# Altium PCB VALVEBOARD_Kun.PcbDoc (part 5 of 13)
Units mil, origin at the board's own origin, x right, y up, seen from the top; angles counter-clockwise.
Board outline 10923.41 x 5583.88 mil, 2 copper layers (Top Layer, Bottom Layer), stack 10.8 mil thick; 1127 components, 626 nets, 3503 pads, 1418 vias.
Unrouted connection lines stored in the file: 1.
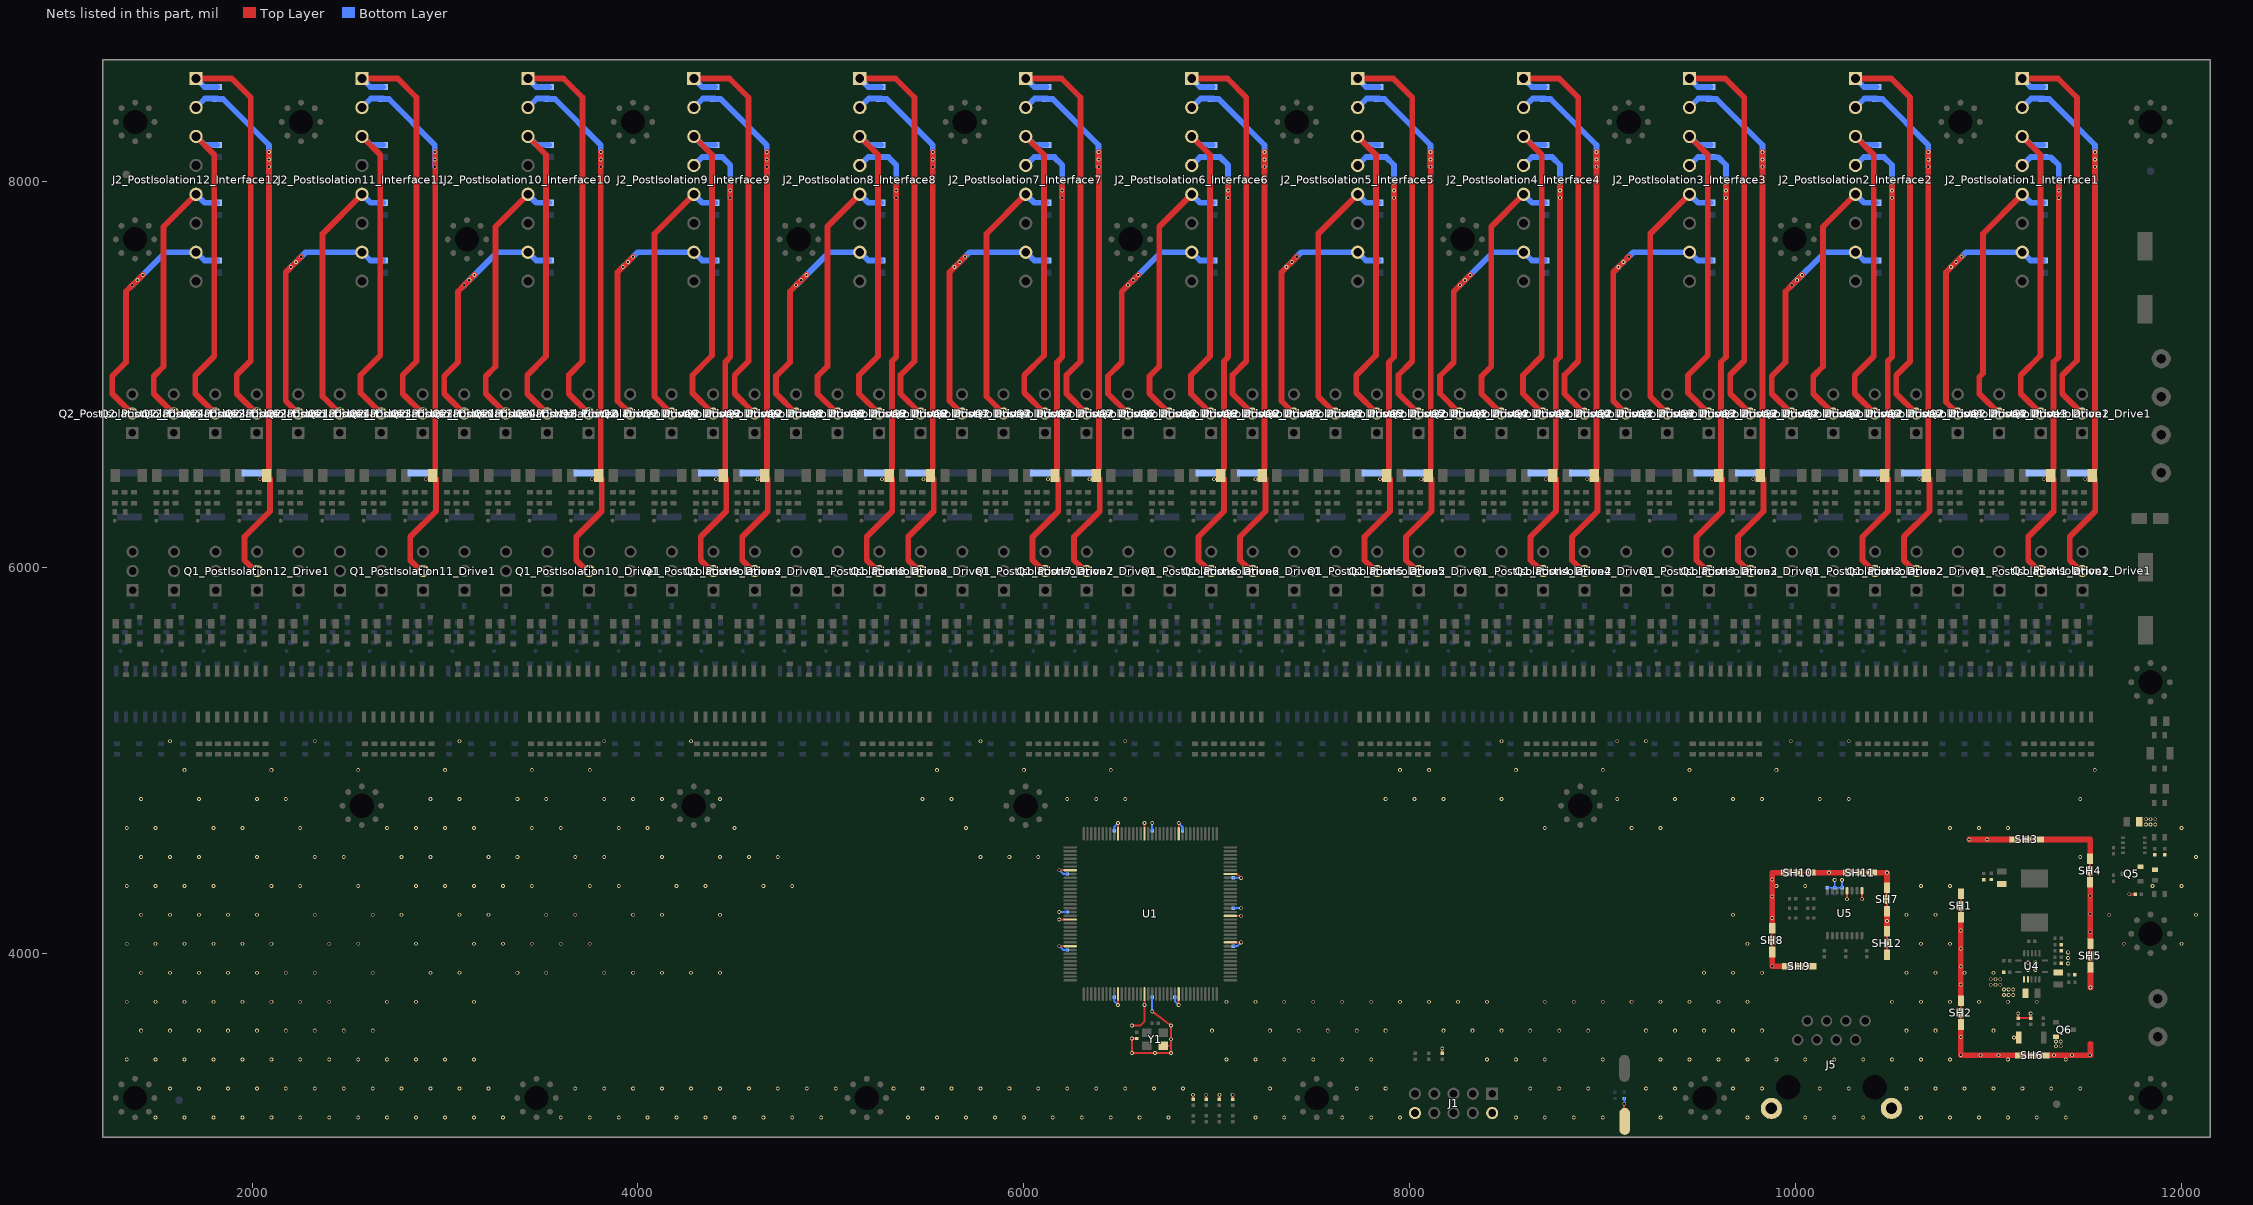
[diagram p5: the nets of this part, all layers, seen from the top]

## Via types
v1: diameter 19.68, hole 11.81, Top Layer to Bottom Layer, tented both sides, 1364 vias
v2: diameter 19.68, hole 11.81, Top Layer to Bottom Layer, 54 vias

## Nets (pads, with @x,y where several pads share a name; then routed paths per layer and width w, separated by ;. In a path a pad name is that pad's centre, name@x,y a point inside that pad or via, vN(x,y) a via of type N, cw(c..) or ccw(c..) an arc to the next point about the centre after c; other vN are vias at no path point)
DGND: C1.1 C2.1 C3.1 C4.1 C5.1 C6.1 C7.1 C8.1 C9.1 C10.1 C11.1 C12.1 C13.1 C14.1 C32.1 C33.1 C34.1 C35.1 C36.1 C37.1 C38.1 C39.1 C40.1 C41.1 C42.1 C43.1 C44.1 D11.2 J1.2 J1.10 J5.SH1 J5.SH2 KEY1.1 Q5.S Q6.S R4.1 R9.1 R10.1 R11.1 R12.1 R35.1 R36.1 R38.2 R39.2 R40.1 R43.1 R45.1 SH1.SH SH2.SH SH3.SH SH4.SH SH5.SH SH6.SH SH7.SH SH8.SH SH9.SH SH10.SH SH11.SH SH12.SH U1.10 U1.17 U1.26 U1.47 U1.54 U1.65 U1.83 U1.92 U1.99 U1.115 U1.128 U1.135 U4.2 U4.3 U4.15 U5.9 U5.12 Y1.2 | length 7341.8
  Top Layer w10: v1@6182.77,4175.31 6182.94,4175.47 U1.128@6239.65,4175.47 ; v1(6183.93,4037.68) U1.135@6239.65,4037.68 ; v1(6183.93,4431.38) U1.115@6239.65,4431.38 ; v1@6487.68,3733.93 U1.10@6487.68,3789.65 ; U1.99@6487.68,4620.35 v1(6487.68,4676.07) ; v1@6560.33,3626.35 6602.61,3626.35 6625.47,3649.22 6625.47,3728.01 6624.7,3728.78 6625.47,3729.56 U1.17@6625.47,3789.65 ; C1.1@6585,3559.25 v1(6559.73,3559.25) v1(6559.73,3484.32) v1(6680.16,3484.32) v1(6762.86,3484.32) 6762.86,3521.53 ; U1.92@6625.47,4620.35 v1@6625.47,4677.06 ; v1(6665.51,3698.8) v1(6762.86,3626.35) v1(6762.86,3555.34) 6762.86,3521.53 ; Y1.2@6723.31,3521.53 6762.86,3521.53 ; v1@6802.21,3733.5 6802.21,3789.21 U1.26@6802.64,3789.65 ; U1.83@6802.64,4620.35 v1(6802.64,4676.07) ; R9.1@6876.96,3243.64 6876.96,3267.8 v1(6877.1,3267.94) ; R10.1@6945.29,3243.64 v1@6945.29,3267.8 ; R11.1@7013.63,3243.64 v1@7013.63,3267.8 ; U1.47@7070.35,4057.36 v1(7126.07,4057.36) ; U1.54@7070.35,4195.16 v1@7127.06,4195.16 ; U1.65@7070.35,4411.69 7070.7,4411.35 7106.66,4411.35 v1@7126.14,4391.87 ; R12.1@7081.96,3243.64 v1@7081.96,3267.8 ; R4.1@8167.79,3482.96 8168.18,3483.35 8168.18,3507.18 v1(8168.58,3507.57) ; v1(9111.36,3220.79) 9111.36,3132.14 KEY1.1@9113.86,3129.64 ; SH8.SH@9878.81,4007.48 SH8.SH@9878.81,4068.7 SH8.SH@9878.81,4129.92 ; SH10.SH@9952.59,4418.7 SH10.SH@10013.81,4418.7 SH10.SH@10075.03,4418.7 ; SH9.SH@9957.59,3933.7 SH9.SH@10018.81,3933.7 SH9.SH@10080.03,3933.7 ; v1@10266.6,4281.53 U5.12@10266.6,4324.84 ; SH11.SH@10272.59,4418.7 SH11.SH@10333.81,4418.7 SH11.SH@10395.03,4418.7 ; v1@10343.37,4281.53 U5.9@10343.37,4324.84 ; SH12.SH@10473.81,3992.48 SH12.SH@10473.81,4053.7 SH12.SH@10473.81,4114.92 ; SH7.SH@10473.81,4218.7 SH7.SH@10473.81,4279.92 SH7.SH@10473.81,4341.14 ; SH2.SH@10856.19,3631.41 SH2.SH@10856.19,3692.63 SH2.SH@10856.19,3753.86 ; SH1.SH@10856.19,4186.96 SH1.SH@10856.19,4248.18 SH1.SH@10856.19,4309.4 ; v1@11131.88,3564.73 D11.2@11156.06,3564.73 ; SH3.SH@11136.13,4590.82 SH3.SH@11197.35,4590.82 SH3.SH@11258.57,4590.82 ; v1(11153.52,3689.08) 11153.78,3688.82 C40.1@11153.78,3664.65 R45.1@11218.07,3664.65 v1@11218.07,3688.82 ; SH6.SH@11165.34,3471.96 SH6.SH@11226.56,3471.96 SH6.SH@11287.78,3471.96 ; SH4.SH@11526.49,4368.2 SH4.SH@11526.49,4429.42 SH4.SH@11526.49,4490.64 ; SH5.SH@11527.93,3927.97 SH5.SH@11527.93,3989.19 SH5.SH@11527.93,4050.41 ; v1(11729.27,4306.54) 11729.59,4306.22 R39.2@11759.58,4306.22
  Top Layer w30: SH8.SH@9878.81,4007.48 9878.81,3933.7 SH9.SH@9957.59,3933.7 ; SH8.SH@9878.81,4129.92 9878.81,4418.7 SH10.SH@9952.59,4418.7 ; SH10.SH@10075.03,4418.7 SH11.SH@10272.59,4418.7 ; SH11.SH@10395.03,4418.7 v1(10473.81,4418.7) SH7.SH@10473.81,4341.14 ; SH12.SH@10473.81,4114.92 SH7.SH@10473.81,4218.7 ; SH2.SH@10856.19,3631.41 10856.19,3471.96 SH6.SH@11165.34,3471.96 ; SH2.SH@10856.19,3753.86 SH1.SH@10856.19,4186.96 ; v1(10899.62,4590.82) SH3.SH@11136.13,4590.82 ; SH3.SH@11258.57,4590.82 11526.49,4590.82 SH4.SH@11526.49,4490.64 ; SH6.SH@11287.78,3471.96 11527.93,3471.96 11527.93,3531.76 ; SH4.SH@11526.49,4368.2 11526.49,4050.41 SH5.SH@11527.93,4050.41 ; v1(11527.93,3823.66) SH5.SH@11527.93,3927.97
  Bottom Layer w10: v1(6183.93,4037.68) 6203.18,4018.42 C9.1@6224.33,4018.42 ; v1(6183.93,4431.38) 6203.18,4412.13 C13.1@6224.33,4412.13 ; v1@6184.87,4214.84 C6.1@6223.9,4214.84 ; C8.1@6468.42,3774.33 6468.42,3753.18 v1@6487.68,3733.93 ; C7.1@6468.42,4635.67 6468.42,4656.82 v1(6487.68,4676.07) ; C3.1@6664.84,3773.9 6664.84,3699.46 v1(6665.51,3698.8) ; C4.1@6664.84,4636.1 v1@6664.84,4675.13 ; C10.1@6782.95,3773.9 6782.95,3752.75 v1@6802.21,3733.5 ; v1(6802.64,4676.07) 6821.89,4656.82 C5.1@6821.89,4635.67 ; C11.1@7085.67,4038.11 7106.82,4038.11 v1(7126.07,4057.36) ; C14.1@7085.67,4392.44 7125.56,4392.44 v1@7126.14,4391.87 ; C12.1@7086.1,4234.53 7125.13,4234.53 v1@7125.53,4234.12 ; v1@9111.36,3224.64 9111.96,3225.24 C2.1@9111.96,3248.34 C2.1@9111.96,3251.39 ; C44.1@10164.24,4340.59 C42.1@10202.63,4340.59 ; v1(10202.05,4380.06) 10202.63,4379.48 C42.1@10202.63,4340.59 ; v1@10241.01,4379.48 C43.1@10241.01,4340.59 C42.1@10202.63,4340.59
  other v1: 1500,3150 1650,3150 1800,3150 1950,3150 2100,3150 2250,3150 2400,3150 2550,3150 2700,3150 2850,3150 3000,3150 3150,3150 3300,3150 3600,3150 3750,3150 3900,3150 4050,3150 4200,3150 4350,3150 4500,3150 4650,3150 4800,3150 4950,3150 5400,3150 5550,3150 5700,3150 5850,3150 6000,3150 6150,3150 6300,3150 6450,3150 6600,3150 6750,3150 7200,3150 7350,3150 7650,3150 7800,3150 7950,3150 8550,3150 8700,3150 8850,3150 9000,3150 9300,3150 9750,3150 10050,3150 10200,3150 10350,3150 10650,3150 10800,3150 10950,3150 11100,3150 11250,3150 11400,3150 6945.43,3267.94 7013.77,3267.94 7082.1,3267.94 1575,3300 1725,3300 1875,3300 2025,3300 2175,3300 2325,3300 2475,3300 2625,3300 2775,3300 2925,3300 3075,3300 3225,3300 3675,3300 3825,3300 3975,3300 4125,3300 4275,3300 4425,3300 4575,3300 4725,3300 4875,3300 5025,3300 5325,3300 5475,3300 5625,3300 5775,3300 5925,3300 6075,3300 6225,3300 6375,3300 6525,3300 6675,3300 6825,3300 7275,3300 7725,3300 7875,3300 8625,3300 8775,3300 8925,3300 9225,3300 9375,3300 9675,3300 9825,3300 10125,3300 10275,3300 10575,3300 10725,3300 10875,3300 11025,3300 11175,3300 11325,3300 11475,3300 1350,3450 1500,3450 1650,3450 1800,3450 1950,3450 2100,3450 2250,3450 2400,3450 2550,3450 2700,3450 2850,3450 3000,3450 3150,3450 7050,3450 7200,3450 7350,3450 7500,3450 7650,3450 7800,3450 8400,3450 8550,3450 8700,3450 9000,3450 9300,3450 9450,3450 9600,3450 9750,3450 9900,3450 10050,3450 10200,3450 10350,3450 10500,3450 10650,3450 10800,3450 11100,3450 11400,3450 10957.8,3471.96 11050.93,3471.96 11338.61,3471.96 11431.74,3471.96 11524.88,3471.96 10856.19,3474.24 11349.78,3519.22 11373.63,3519.22 11349.78,3543.85 11373.63,3543.85 11131.62,3564.47 10856.19,3567.38 1425,3600 1575,3600 1725,3600 1875,3600 2025,3600 2175,3600 2325,3600 2475,3600 2625,3600 6975,3600 7275,3600 7425,3600 7575,3600 7725,3600 7875,3600 8175,3600 8325,3600 8475,3600 8625,3600 8775,3600 8925,3600 9225,3600 9375,3600 9525,3600 9675,3600 9825,3600 10575,3600 10725,3600 11025,3600 6559.73,3626.96 11217.81,3689.08 6487.68,3733.05 6624.7,3733.4 6802.21,3733.05 1350,3750 1500,3750 1650,3750 1800,3750 1950,3750 2100,3750 2250,3750 2400,3750 2700,3750 2850,3750 3150,3750 7050,3750 7200,3750 7350,3750 7500,3750 7650,3750 7800,3750 7950,3750 8100,3750 8250,3750 8400,3750 8700,3750 8850,3750 9000,3750 9150,3750 9300,3750 9450,3750 9600,3750 9750,3750 10500,3750 10650,3750 10800,3750 10950,3750 11100,3750 11250,3750 11079.63,3784.82 11103.93,3784.82 11128.22,3784.82 11079.63,3812.89 11103.93,3812.89 11128.22,3812.89 11011.4,3838.11 11035.69,3838.11 11059.99,3838.11 10856.19,3839.1 11011.4,3866.18 11035.69,3866.18 11059.99,3866.18 1425,3900 1575,3900 1725,3900 1875,3900 2025,3900 2175,3900 2325,3900 2625,3900 2925,3900 3075,3900 3375,3900 3525,3900 3825,3900 3975,3900 4125,3900 4275,3900 4425,3900 9525,3900 9675,3900 9825,3900 10575,3900 10725,3900 10875,3900 11025,3900 11204.37,3914.08 11243.11,3914.08 10856.19,3932.23 9879.16,3933.7 11412.26,3947.71 11204.37,3952.36 11243.11,3952.36 11412.26,3976.64 11412.26,4005.57 10856.19,4025.36 1350,4050 1500,4050 1650,4050 1800,4050 1950,4050 2100,4050 2400,4050 2550,4050 2850,4050 3150,4050 3300,4050 3450,4050 3600,4050 3750,4050 9750,4050 10650,4050 10800,4050 11700,4050 12000,4050 11526.49,4112.24 10856.19,4118.49 10473.81,4167.93 6183.93,4175.31 9878.81,4183.88 7126.07,4195.32 1425,4200 1575,4200 1725,4200 1875,4200 2025,4200 2325,4200 2625,4200 2775,4200 3075,4200 3225,4200 3525,4200 3675,4200 3975,4200 4125,4200 4425,4200 9675,4200 10575,4200 10725,4200 11625,4200 12075,4200 11526.49,4205.38 6183.93,4215.25 7126.07,4234.12 10266.37,4281.29 10343.14,4281.29 9878.81,4294.69 11526.49,4298.51 1350,4350 1500,4350 1650,4350 1800,4350 2100,4350 2250,4350 2550,4350 2850,4350 3000,4350 3150,4350 3300,4350 3450,4350 3750,4350 3900,4350 4200,4350 4350,4350 4650,4350 4800,4350 9900,4350 10050,4350 10650,4350 10800,4350 11850,4350 12000,4350 10240.44,4380.06 9878.81,4382.85 7126.14,4391.61 10172.99,4418.7 1425,4500 1575,4500 1725,4500 2025,4500 2325,4500 2475,4500 2775,4500 2925,4500 3225,4500 3375,4500 3675,4500 3825,4500 4125,4500 4425,4500 4575,4500 4725,4500 5775,4500 5925,4500 6075,4500 12075,4500 10992.75,4590.82 1350,4650 1500,4650 1800,4650 1950,4650 2250,4650 2700,4650 2850,4650 3000,4650 3150,4650 3450,4650 3600,4650 3900,4650 4050,4650 4500,4650 5700,4650 8700,4650 9150,4650 9300,4650 10800,4650 10950,4650 11100,4650 12000,4650 11815.23,4667.82 11839.52,4667.82 11863.82,4667.82 6625.31,4676.07 6665.25,4676.07 11815.23,4695.9 11839.52,4695.9 11863.82,4695.9 1425,4800 1725,4800 2025,4800 2175,4800 2925,4800 3075,4800 3375,4800 3525,4800 3825,4800 3975,4800 4125,4800 4425,4800 5475,4800 5625,4800 6225,4800 6375,4800 6525,4800 7875,4800 8025,4800 8175,4800 8475,4800 9075,4800 9375,4800 9675,4800 9825,4800 10125,4800 10275,4800 11475,4800 1650,4950 2100,4950 2550,4950 3000,4950 3450,4950 3750,4950 5550,4950 6000,4950 6450,4950 7950,4950 8100,4950 8550,4950 9000,4950 9450,4950 9900,4950 11550,4950 1575,5100 2325,5100 3075,5100 3825,5100 4275,5100 5775,5100 6525,5100 8475,5100 9075,5100 9225,5100 9975,5100 10275,5100
  other v2: 11475,4500
DLO1_PostIsolation1: C23_PostIsolation1_Interface1.2 J2_PostIsolation1_Interface1.1 Q2_PostIsolation1_Drive1.2 | length 2163.2
  Top Layer w30: J2_PostIsolation1_Interface1.1@11174.44,8534.14 11359.23,8534.14 11457.56,8435.81 11457.56,7073.05 11381.61,6997.1 11381.61,6901.29 Q2_PostIsolation1_Drive1.2@11484.95,6797.95
  Bottom Layer w30: J2_PostIsolation1_Interface1.1@11174.44,8534.14 11217.87,8490.71 C23_PostIsolation1_Interface1.2@11283.66,8490.71
DLO1_PostIsolation2: C23_PostIsolation2_Interface2.2 J2_PostIsolation2_Interface2.1 Q2_PostIsolation2_Drive1.2 | length 2161.7
  Top Layer w30: J2_PostIsolation2_Interface2.1@10310.26,8534.2 10495.05,8534.2 10593.37,8435.88 10593.37,7068.79 10521.55,6996.97 10521.55,6901.16 Q2_PostIsolation2_Drive1.2@10624.89,6797.82
  Bottom Layer w30: J2_PostIsolation2_Interface2.1@10310.26,8534.2 10353.69,8490.78 C23_PostIsolation2_Interface2.2@10419.48,8490.78
DLO1_PostIsolation3: C23_PostIsolation3_Interface3.2 J2_PostIsolation3_Interface3.1 Q2_PostIsolation3_Drive1.2 | length 2161.6
  Top Layer w30: J2_PostIsolation3_Interface3.1@9450.2,8534.14 9634.98,8534.14 9733.31,8435.81 9733.31,7071.14 9661.49,6999.32 9661.49,6901.16 Q2_PostIsolation3_Drive1.2@9764.83,6797.82
  Bottom Layer w30: J2_PostIsolation3_Interface3.1@9450.2,8534.14 9493.63,8490.71 C23_PostIsolation3_Interface3.2@9559.42,8490.71
DLO1_PostIsolation4: C23_PostIsolation4_Interface4.2 J2_PostIsolation4_Interface4.1 Q2_PostIsolation4_Drive1.2 | length 2164
  Top Layer w30: J2_PostIsolation4_Interface4.1@8590.14,8534.2 8774.92,8534.2 8873.25,8435.88 8873.25,7068.79 ; 8801.43,6996.84 8873.25,7068.66 ; 8801.43,6999.19 8801.43,6901.03 Q2_PostIsolation4_Drive1.2@8904.77,6797.69
  Bottom Layer w30: J2_PostIsolation4_Interface4.1@8590.14,8534.2 8633.56,8490.78 C23_PostIsolation4_Interface4.2@8699.35,8490.78
DLO1_PostIsolation5: C23_PostIsolation5_Interface5.2 J2_PostIsolation5_Interface5.1 Q2_PostIsolation5_Drive1.2 | length 2161.3
  Top Layer w30: J2_PostIsolation5_Interface5.1@7730.08,8534.2 7914.86,8534.2 8013.19,8435.88 8013.19,7069.45 7941.83,6998.1 7941.83,6900.7 Q2_PostIsolation5_Drive1.2@8044.71,6797.82
  Bottom Layer w30: J2_PostIsolation5_Interface5.1@7730.08,8534.2 7773.5,8490.78 C23_PostIsolation5_Interface5.2@7839.29,8490.84
DLO1_PostIsolation6: C23_PostIsolation6_Interface6.2 J2_PostIsolation6_Interface6.1 Q2_PostIsolation6_Drive1.2 | length 2164
  Top Layer w30: J2_PostIsolation6_Interface6.1@6870.02,8534.2 7054.8,8534.2 7153.13,8435.88 7153.13,7068.79 ; 7081.31,6996.84 7153.13,7068.66 ; 7081.31,6999.32 7081.31,6901.16 Q2_PostIsolation6_Drive1.2@7184.65,6797.82
  Bottom Layer w30: J2_PostIsolation6_Interface6.1@6870.02,8534.2 6913.44,8490.78 C23_PostIsolation6_Interface6.2@6979.23,8490.78
DLO1_PostIsolation7: C23_PostIsolation7_Interface7.2 J2_PostIsolation7_Interface7.1 Q2_PostIsolation7_Drive1.2 | length 2161.3
  Top Layer w30: J2_PostIsolation7_Interface7.1@6009.96,8534.2 6194.74,8534.2 6293.07,8435.88 6293.07,7069.45 6221.71,6998.1 6221.71,6900.7 Q2_PostIsolation7_Drive1.2@6324.59,6797.82
  Bottom Layer w30: J2_PostIsolation7_Interface7.1@6009.96,8534.2 6053.38,8490.78 C23_PostIsolation7_Interface7.2@6119.17,8490.84
DLO1_PostIsolation8: C23_PostIsolation8_Interface8.2 J2_PostIsolation8_Interface8.1 Q2_PostIsolation8_Drive1.2 | length 2164
  Top Layer w30: J2_PostIsolation8_Interface8.1@5149.9,8534.2 5334.68,8534.2 5433.01,8435.88 5433.01,7068.79 ; 5361.19,6996.84 5433.01,7068.66 ; 5361.18,6999.32 5361.18,6901.16 Q2_PostIsolation8_Drive1.2@5464.53,6797.82
  Bottom Layer w30: J2_PostIsolation8_Interface8.1@5149.9,8534.2 5193.32,8490.78 C23_PostIsolation8_Interface8.2@5259.11,8490.78
DLO1_PostIsolation9: C23_PostIsolation9_Interface9.2 J2_PostIsolation9_Interface9.1 Q2_PostIsolation9_Drive1.2 | length 2161.3
  Top Layer w30: J2_PostIsolation9_Interface9.1@4289.84,8534.2 4474.62,8534.2 4572.95,8435.88 4572.95,7069.45 4501.59,6998.1 4501.59,6900.7 Q2_PostIsolation9_Drive1.2@4604.47,6797.82
  Bottom Layer w30: J2_PostIsolation9_Interface9.1@4289.84,8534.2 4333.26,8490.78 C23_PostIsolation9_Interface9.2@4399.05,8490.84
DLO1_PostIsolation10: C23_PostIsolation10_Interface10.2 J2_PostIsolation10_Interface10.1 Q2_PostIsolation10_Drive1.2 | length 2164
  Top Layer w30: J2_PostIsolation10_Interface10.1@3429.78,8534.2 3614.56,8534.2 3712.89,8435.88 3712.89,7068.79 ; 3641.06,6996.84 3712.89,7068.66 ; 3641.06,6999.32 3641.06,6901.16 Q2_PostIsolation10_Drive1.2@3744.41,6797.82
  Bottom Layer w30: J2_PostIsolation10_Interface10.1@3429.78,8534.2 3473.2,8490.78 C23_PostIsolation10_Interface10.2@3538.99,8490.78
DLO1_PostIsolation11: C23_PostIsolation11_Interface11.2 J2_PostIsolation11_Interface11.1 Q2_PostIsolation11_Drive1.2 | length 2161.3
  Top Layer w30: J2_PostIsolation11_Interface11.1@2569.72,8534.2 2754.5,8534.2 2852.83,8435.88 2852.83,7069.45 2781.47,6998.1 2781.47,6900.7 Q2_PostIsolation11_Drive1.2@2884.34,6797.82
  Bottom Layer w30: J2_PostIsolation11_Interface11.1@2569.72,8534.2 2613.14,8490.78 C23_PostIsolation11_Interface11.2@2678.93,8490.84
DLO1_PostIsolation12: C23_PostIsolation12_Interface12.2 J2_PostIsolation12_Interface12.1 Q2_PostIsolation12_Drive1.2 | length 2161.7
  Top Layer w30: J2_PostIsolation12_Interface12.1@1709.65,8534.2 1894.44,8534.2 1992.76,8435.88 1992.76,7071.21 1920.94,6999.39 1920.94,6901.16 Q2_PostIsolation12_Drive1.2@2024.28,6797.82
  Bottom Layer w30: J2_PostIsolation12_Interface12.1@1709.65,8534.2 1753.08,8490.78 C23_PostIsolation12_Interface12.2@1818.87,8490.78
DLO2_PostIsolation1: C24_PostIsolation1_Interface1.2 J2_PostIsolation1_Interface1.3 Q2_PostIsolation1_Drive2.2 | length 1687.7
  Top Layer w30: J2_PostIsolation1_Interface1.3@11174.44,8234.14 11268.73,8139.85 11268.73,7099.1 11166.6,6996.97 11166.6,6901.16 Q2_PostIsolation1_Drive2.2@11269.94,6797.82
  Bottom Layer w30: J2_PostIsolation1_Interface1.3@11174.44,8234.14 11217.87,8190.71 C24_PostIsolation1_Interface1.2@11283.66,8190.71
DLO2_PostIsolation2: C24_PostIsolation2_Interface2.2 J2_PostIsolation2_Interface2.3 Q2_PostIsolation2_Drive2.2 | length 1686
  Top Layer w30: J2_PostIsolation2_Interface2.3@10310.26,8234.2 10404.54,8139.92 10404.54,7094.98 10306.53,6996.97 10306.53,6901.16 Q2_PostIsolation2_Drive2.2@10409.88,6797.82
  Bottom Layer w30: J2_PostIsolation2_Interface2.3@10310.26,8234.2 10353.69,8190.78 C24_PostIsolation2_Interface2.2@10419.48,8190.78
DLO2_PostIsolation3: C24_PostIsolation3_Interface3.2 J2_PostIsolation3_Interface3.3 Q2_PostIsolation3_Drive2.2 | length 1689.4
  Top Layer w30: 9442.35,6996.97 9544.48,7099.1 9544.48,8139.85 J2_PostIsolation3_Interface3.3@9450.2,8234.14 ; 9442.35,6996.98 9442.35,6905.28 Q2_PostIsolation3_Drive2.2@9549.82,6797.82
  Bottom Layer w30: J2_PostIsolation3_Interface3.3@9450.2,8234.14 9493.63,8190.71 C24_PostIsolation3_Interface3.2@9559.42,8190.71
DLO2_PostIsolation4: C24_PostIsolation4_Interface4.2 J2_PostIsolation4_Interface4.3 Q2_PostIsolation4_Drive2.2 | length 1686
  Top Layer w30: J2_PostIsolation4_Interface4.3@8590.14,8234.2 8684.42,8139.92 8684.42,7094.98 8586.41,6996.97 8586.41,6901.16 Q2_PostIsolation4_Drive2.2@8689.76,6797.82
  Bottom Layer w30: J2_PostIsolation4_Interface4.3@8590.14,8234.2 8633.56,8190.78 C24_PostIsolation4_Interface4.2@8699.35,8190.78
DLO2_PostIsolation5: C24_PostIsolation5_Interface5.2 J2_PostIsolation5_Interface5.3 Q2_PostIsolation5_Drive2.2 | length 1689.7
  Top Layer w30: 7722.23,6996.98 7722.23,6905.28 Q2_PostIsolation5_Drive2.2@7829.69,6797.82 ; 7722.61,6996.6 7824.36,7098.34 7824.36,8139.92 J2_PostIsolation5_Interface5.3@7730.08,8234.2
  Bottom Layer w30: J2_PostIsolation5_Interface5.3@7730.08,8234.2 7773.5,8190.78 C24_PostIsolation5_Interface5.2@7839.29,8190.78
DLO2_PostIsolation6: C24_PostIsolation6_Interface6.2 J2_PostIsolation6_Interface6.3 Q2_PostIsolation6_Drive2.2 | length 1686
  Top Layer w30: J2_PostIsolation6_Interface6.3@6870.02,8234.2 6964.3,8139.92 6964.3,7094.98 6866.29,6996.97 6866.29,6901.16 Q2_PostIsolation6_Drive2.2@6969.63,6797.82
  Bottom Layer w30: J2_PostIsolation6_Interface6.3@6870.02,8234.2 6913.44,8190.78 C24_PostIsolation6_Interface6.2@6979.23,8190.78
DLO2_PostIsolation7: C24_PostIsolation7_Interface7.2 J2_PostIsolation7_Interface7.3 Q2_PostIsolation7_Drive2.2 | length 1689.7
  Top Layer w30: 6002.11,6996.98 6002.11,6905.28 Q2_PostIsolation7_Drive2.2@6109.57,6797.82 ; 6002.49,6996.6 6104.24,7098.34 6104.24,8139.92 J2_PostIsolation7_Interface7.3@6009.96,8234.2
  Bottom Layer w30: J2_PostIsolation7_Interface7.3@6009.96,8234.2 6053.38,8190.78 C24_PostIsolation7_Interface7.2@6119.17,8190.78
DLO2_PostIsolation8: C24_PostIsolation8_Interface8.2 J2_PostIsolation8_Interface8.3 Q2_PostIsolation8_Drive2.2 | length 1686
  Top Layer w30: J2_PostIsolation8_Interface8.3@5149.9,8234.2 5244.18,8139.92 5244.18,7094.98 5146.17,6996.97 5146.17,6901.16 Q2_PostIsolation8_Drive2.2@5249.51,6797.82
  Bottom Layer w30: J2_PostIsolation8_Interface8.3@5149.9,8234.2 5193.32,8190.78 C24_PostIsolation8_Interface8.2@5259.11,8190.78
DLO2_PostIsolation9: C24_PostIsolation9_Interface9.2 J2_PostIsolation9_Interface9.3 Q2_PostIsolation9_Drive2.2 | length 1689.7
  Top Layer w30: 4281.99,6996.98 4281.99,6905.28 Q2_PostIsolation9_Drive2.2@4389.45,6797.82 ; 4282.37,6996.59 4384.12,7098.34 4384.12,8139.92 J2_PostIsolation9_Interface9.3@4289.84,8234.2
  Bottom Layer w30: J2_PostIsolation9_Interface9.3@4289.84,8234.2 4333.26,8190.78 C24_PostIsolation9_Interface9.2@4399.05,8190.78
DLO2_PostIsolation10: C24_PostIsolation10_Interface10.2 J2_PostIsolation10_Interface10.3 Q2_PostIsolation10_Drive2.2 | length 1686
  Top Layer w30: J2_PostIsolation10_Interface10.3@3429.78,8234.2 3524.06,8139.92 3524.06,7094.98 3426.05,6996.97 3426.05,6901.16 Q2_PostIsolation10_Drive2.2@3529.39,6797.82
  Bottom Layer w30: J2_PostIsolation10_Interface10.3@3429.78,8234.2 3473.2,8190.78 C24_PostIsolation10_Interface10.2@3538.99,8190.78
DLO2_PostIsolation11: C24_PostIsolation11_Interface11.2 J2_PostIsolation11_Interface11.3 Q2_PostIsolation11_Drive2.2 | length 1689.7
  Top Layer w30: 2561.87,6996.98 2561.87,6905.28 Q2_PostIsolation11_Drive2.2@2669.33,6797.82 ; 2562.25,6996.6 2664,7098.35 2664,8139.92 J2_PostIsolation11_Interface11.3@2569.72,8234.2
  Bottom Layer w30: J2_PostIsolation11_Interface11.3@2569.72,8234.2 2613.14,8190.78 C24_PostIsolation11_Interface11.2@2678.93,8190.78